# Allegro board pc051c_toplevel_209edited.brd (continued)
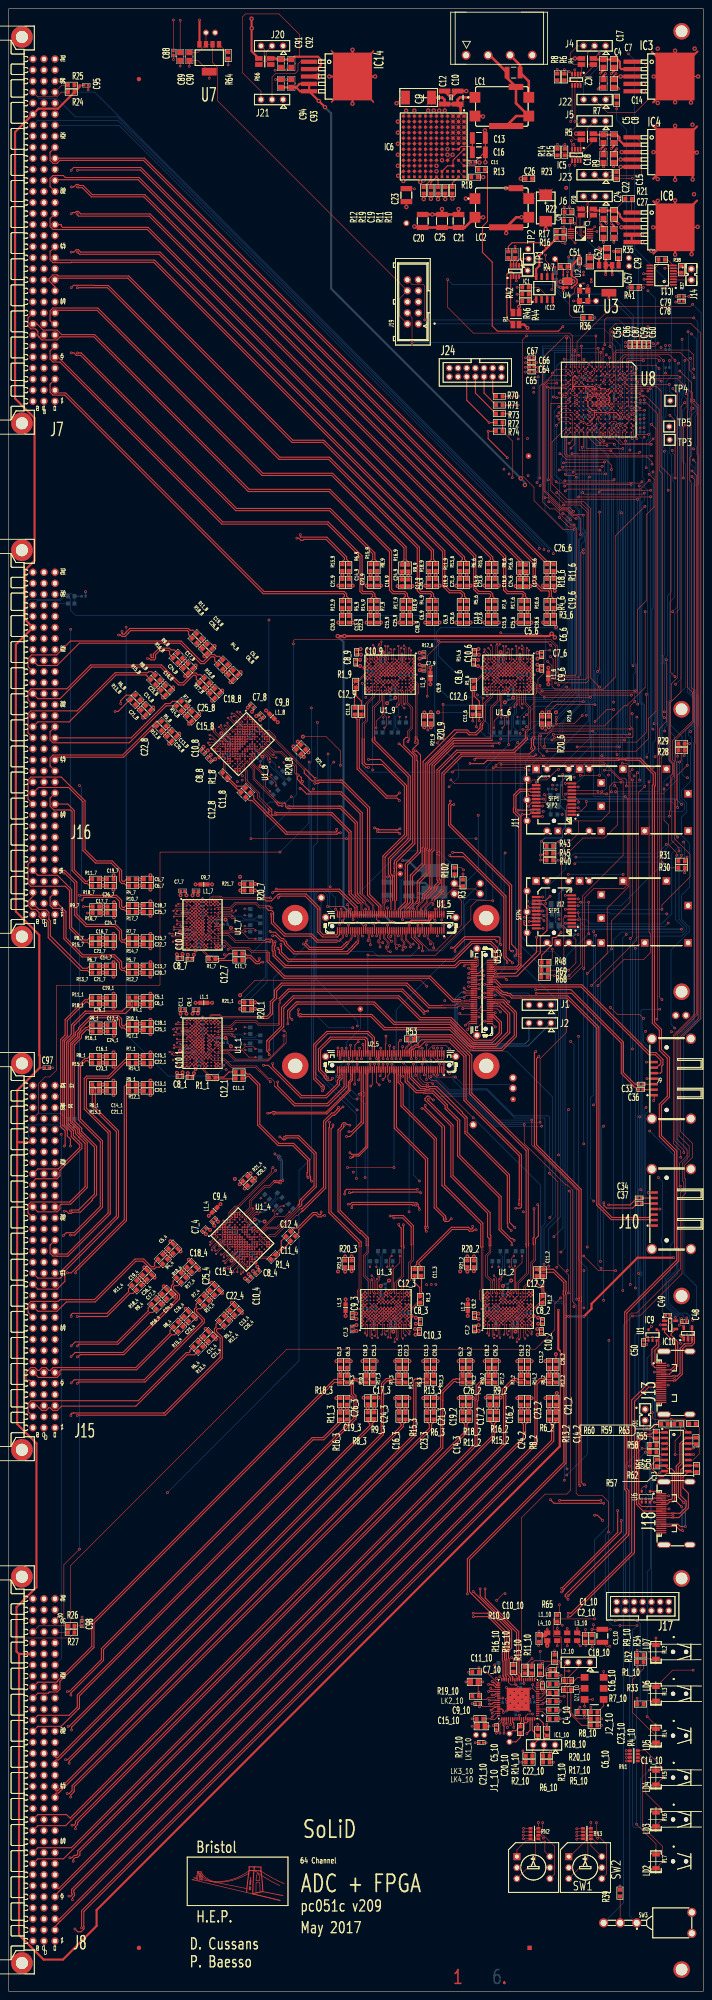
[diagram p0: board, top side]
## Routing (per net, layer and track width the routed paths; a pad name or vN(x,y) marks a point on that pad's centre or on a via; arc(x,y) is an arc through that point) (continued)
ADC_SDOA<2>: length 165.5
  TOP w0.13: U1_8.E6 v4(56.11,288.13) ; U8.T3 125.07,371.75 123.03,369.71 123.03,342.7 124.63,341.1 125.85,341.1 129.52,337.43 v1(130.23,337.43)
  TOP w0.25: v2(65.59,286.43) R20_8.1
  L3 w0.13: 61.35,287 60.5,287 60.36,286.86 58.37,286.86 57.1,288.13 v4(56.11,288.13)
  L3 w0.25: v2(65.59,286.43) 65.02,287 61.35,287
  L4 w0.13: v1(126.14,293.13) 121.05,293.13 119.4,291.47 68.63,291.47 65.59,288.43 v2(65.59,286.43)
  BOTTOM w0.13: v1(130.23,337.43) 130.91,336.74 130.91,297.89 v1(126.14,293.13)
ADC_SDOA<3>: length 216.3
  TOP w0.13: v1(136.7,350.9) 127.8,350.9 v1(127.6,350.7) ; v1(127.57,367.25) 128.5,367.25 128.8,367.55 128.8,368.15 U8.R6 ; U1_7.E6 v4(45.45,247.8) ; v1(123.41,286.5) 123.41,288.24 125.15,289.98 v1(134.54,289.98) ; v1(136.1,340.37) 136.1,304.15 v1(135.65,303.7)
  TOP w0.25: v2(53.35,253.3) R20_7.1
  L3 w0.13: 49.95,250.7 49.35,250.1 49.35,249.91 47.95,248.5 46.15,248.5 v4(45.45,247.8)
  L3 w0.25: v2(53.35,253.3) 52.55,253.3 49.95,250.7
  L4 w0.13: v2(53.35,253.3) 54.21,254.16 v1(74.06,254.16) ; v1(123.41,286.5) 118.88,286.5 115.23,282.85 106.66,282.85 106.46,283.05 106.04,283.05 105.84,282.85 v1(74.89,282.85) ; v1(136.1,340.37) 136.7,340.97 v1(136.7,350.9)
  BOTTOM w0.13: v1(74.89,282.85) 74.06,282.01 v1(74.06,254.16) ; v1(135.65,303.7) 135.25,303.3 135.25,297 134.54,296.29 v1(134.54,289.98) ; v1(127.6,350.7) 127.25,351.05 127.25,352.55 127.57,352.87 v1(127.57,367.25)
ADC_SDOA<4>: length 241.2
  TOP w0.13: U8.T10 128.26,364.61 v1(126.71,364.61) ; v1(65.59,310.05) 65.59,310.78 65.8,311 98.66,311 98.79,311.14 99.21,311.14 99.34,311 124.95,311 126.35,309.6 126.35,303.52 127.07,302.8 130.45,302.8 130.75,303.1 130.75,336.61 130.42,336.93 129.07,336.93 v1(126.85,339.15) ; U1_1.E6 v4(45.45,220.55)
  TOP w0.25: v2(53.35,226.05) R20_1.1
  L3 w0.13: v4(45.45,220.55) 46.15,221.25 47.95,221.25 49.35,222.66 49.35,222.85 49.95,223.45
  L3 w0.25: 49.95,223.45 52.55,226.05 v2(53.35,226.05)
  BOTTOM w0.13: v1(65.59,310.05) 65.59,287.35 66.24,286.7 66.24,275.28 65.59,274.64 65.59,272.57 59.5,266.48 59.5,232.2 v2(53.35,226.05) ; v1(126.71,364.61) 125.65,363.55 125.65,348.88 126.85,347.68 v1(126.85,339.15)
ADC_SDOA<5>: length 310.3
  TOP w0.13: U1_4.E6 v4(52.67,175.26) ; U8.T15 125.15,356.5 125.15,346.85 128.7,343.3 v1(144.84,343.3)
  TOP w0.25: v2(54.37,184.74) R20_4.1
  L3 w0.13: 53.8,180.5 53.8,179.65 53.94,179.51 53.94,177.52 52.67,176.25 v4(52.67,175.26)
  L3 w0.25: 53.8,180.5 53.8,184.17 v2(54.37,184.74)
  L4 w0.13: v1(145.6,184.42) 143.83,182.65 73.7,182.65 71.61,184.74 v2(54.37,184.74) ; v1(149.96,225.97) 149.96,284.66 152.3,287 152.3,293.95 150.07,296.18 v1(144.9,296.18)
  BOTTOM w0.13: v1(149.96,225.97) 145.92,225.97 145.64,225.69 145.64,201.61 145.83,201.42 145.83,201.01 145.64,200.82 145.64,184.47 v1(145.6,184.42) ; v1(144.9,296.18) 144.84,296.23 v1(144.84,343.3)
ADC_SDOA<6>: length 263
  TOP w0.13: U8.N16 131.4,354.61 131.53,354.48 v1(138.7,354.48) ; U1_3.E6 v4(84.5,157.8)
  TOP w0.25: v2(79,165.7) R20_3.1
  L3 w0.13: 81.6,162.3 82.19,161.71 82.39,161.71 83.8,160.3 83.8,158.5 v4(84.5,157.8)
  L3 w0.25: v2(79,165.7) 79,164.9 81.6,162.3
  L4 w0.13: v1(140.15,284.55) 140.15,280.1 136.83,276.78 135.33,276.78 134.75,276.2 v1(134.75,243.82) ; v1(134.75,181.83) 134.68,181.83 125.12,172.27 85.57,172.27 v2(79,165.7)
  BOTTOM w0.13: v1(134.75,243.82) 134.75,243.25 134.7,243.21 134.7,242.79 134.75,242.75 134.75,206.3 134,205.55 134,182.58 v1(134.75,181.83) ; v1(138.7,354.48) 140.14,353.04 140.14,286.88 139.91,286.65 139.91,284.79 v1(140.15,284.55)
ADC_SDOA<7>: length 257.2
  TOP w0.13: v1(133.86,359.25) 133.9,359.25 U8.K15 ; U1_2.E6 v4(112.65,157.8)
  TOP w0.25: v2(107.15,165.7) R20_2.1
  L3 w0.13: v4(112.65,157.8) 111.95,158.5 111.95,160.3 110.54,161.71 110.34,161.71 109.75,162.3
  L3 w0.25: 109.75,162.3 107.15,164.9 v2(107.15,165.7)
  L4 w0.13: v1(145.35,278.7) 144.6,277.95 144.6,240.25 v1(144.35,239.99) ; v1(133.03,293.6) 133.43,293.2 v1(144.7,293.2) ; v1(144.35,161.83) 114.22,161.83 112.65,160.25 v4(112.65,157.8)
  BOTTOM w0.13: v1(145.35,278.7) 145.35,282.89 144.7,283.54 v1(144.7,293.2) ; v1(144.35,239.99) v1(144.35,161.83) ; v1(133.86,359.25) 133.86,359.21 133.23,358.58 133.23,293.8 v1(133.03,293.6)
ADC_SDOB<0>: length 109.2
  TOP w0.13: v1(135.05,296.05) 126.1,296.05 v2(124.4,294.35) ; U1_6.D6 v4(118.2,302.15) ; U8.K2 v1(133.95,372.3)
  TOP w0.25: v2(124.4,294.35) R21_6.1
  L3 w0.13: v4(118.2,302.15) 118.6,301.75 118.6,299.52 119.62,298.5 120.25,298.5 120.6,298.15
  L3 w0.25: 120.6,298.15 v2(124.4,294.35)
  L4 w0.13: v1(133.95,372.3) 133.4,371.75 133.4,366.88 133.53,366.75 138.14,366.75 139.5,365.39 139.5,362.94 138.77,362.21 136.48,362.21 136.35,362.08 136.35,358.91 135.05,357.61 v1(135.05,296.05)
ADC_SDOB<1>: length 142.9
  TOP w0.13: U8.P1 v1(130.4,377.57) ; v1(131.7,335.2) 131.7,338.79 130.9,339.59 129.99,339.59 129.34,340.24 129.34,340.31 128.74,340.91 127.14,340.91 124.38,343.68 v1(123.53,343.68) ; U1_9.D6 v4(91.05,302.15)
  TOP w0.25: v2(97.25,294.35) R21_9.1
  L3 w0.13: v4(91.05,302.15) 91.45,301.75 91.45,299.52 92.47,298.5 93.09,298.5 93.45,298.15
  L3 w0.25: 93.45,298.15 v2(97.25,294.35)
  L4 w0.13: v1(131.7,335.2) 131.7,332.48 131.35,332.13 131.35,330.55 131.95,329.96 131.95,301.08 127.47,296.59 118.04,296.59 117.7,296.26 117.7,295.76 116.7,294.76 105.97,294.76 104.92,293.7 97.9,293.7 v2(97.25,294.35)
  BOTTOM w0.13: v1(123.53,343.68) 123.53,376.39 124.7,377.57 v1(130.4,377.57)
ADC_SDOB<2>: length 169.3
  TOP w0.13: v1(126.14,291.65) 130.2,291.65 v1(132.1,293.55) ; U8.T4 124.44,370.75 123.29,369.61 123.29,345.21 127.33,341.17 128.85,341.17 129.6,340.41 129.6,340.34 130.09,339.86 132.18,339.86 v1(132.37,339.67) ; U1_8.D6 v4(56.68,288.7)
  TOP w0.25: v2(66.58,287.57) R21_8.1
  L3 w0.13: 61.2,287.57 60.7,287.57 60.26,287.12 58.82,287.12 57.24,288.7 v4(56.68,288.7)
  L3 w0.25: 61.2,287.57 61.49,287.85 66.3,287.85 v2(66.58,287.57)
  L4 w0.13: v1(118.44,290.34) 117.58,290.34 116.8,289.57 67.58,289.57 66.58,288.57 v2(66.58,287.57)
  BOTTOM w0.13: v1(132.37,339.67) 132.37,336.6 132.92,336.04 132.92,335.78 132.97,335.73 132.97,334.67 132.92,334.62 132.92,333.62 132.86,333.56 132.86,294.46 132.1,293.7 v1(132.1,293.55) ; v1(118.44,290.34) 120.47,290.34 121.77,291.65 v1(126.14,291.65)
ADC_SDOB<3>: length 214.8
  TOP w0.13: U1_7.D6 v4(45.45,248.6) ; U8.R7 129.9,367.25 v1(130.9,367.25)
  TOP w0.25: v2(53.25,254.8) R21_7.1
  L3 w0.13: 49.45,251 49.09,250.65 49.09,250.02 48.08,249 45.85,249 v4(45.45,248.6)
  L3 w0.25: 49.45,251 v2(53.25,254.8)
  L4 w0.13: v1(130.9,367.25) 131.5,366.65 131.5,364.99 132.02,364.47 132.02,362.65 131.14,361.76 131.13,361.76 130.36,360.99 130.36,356.42 130.57,356.21 130.57,352.02 129.45,350.9 129.45,339.22 129.86,338.81 129.86,338.39 129.44,337.98 129.44,336.1 130.7,334.84 130.7,334.76 130.7,334.76 130.7,333.66 130.8,333.56 130.8,332.68 130.58,332.45 130.58,330.23 130.8,330.01 130.8,301.95 129.95,301.1 129.54,301.1 129.49,301.05 128.91,301.05 128.91,301.05 126.88,301.05 126.87,301.05 126.65,301.05 126.45,301.26 126.45,301.28 126.16,301.58 125.33,301.58 124.9,301.15 124.9,299.45 123.7,298.25 115.9,298.25 115.11,297.46 111.45,297.46 111.04,297.05 53.62,297.05 47.76,291.19 47.76,287.19 46.57,286 46.57,285.37 45.97,284.77 45.97,281.19 v1(46.2,280.96)
  BOTTOM w0.13: v1(46.2,280.96) 46.2,249.35 v4(45.45,248.6)
ADC_SDOB<4>: length 233.4
  TOP w0.13: v1(100.05,296.15) 100.05,288.6 v1(98.7,287.25) ; U8.R10 129.95,365.3 v1(130.86,365.3) ; U1_1.D6 v4(45.45,221.35) ; v1(134,297.75) v1(123.35,297.75)
  TOP w0.25: v2(53.25,227.55) R21_1.1
  L3 w0.13: v4(45.45,221.35) 45.85,221.75 48.08,221.75 49.09,222.77 49.09,223.4 49.45,223.75
  L3 w0.25: 49.45,223.75 v2(53.25,227.55)
  L4 w0.13: v1(65.1,274.85) 65.5,275.25 99.55,275.25 v1(101.45,277.15)
  BOTTOM w0.13: v1(98.7,287.25) 103.6,282.35 103.6,279.3 v1(101.45,277.15) ; v1(65.1,274.85) 63.9,273.65 60.05,273.65 59.1,272.7 59.1,233.4 v2(53.25,227.55) ; v1(100.05,296.15) 100.25,295.95 115.45,295.95 117.25,297.75 v1(123.35,297.75) ; v1(134,297.75) 134.35,298.1 134.35,358.99 134.35,359 134.35,359.5 134.35,359.51 134.35,360.99 134.4,361.04 134.4,361.46 134.35,361.51 134.35,363.75 134.2,363.9
  BOTTOM w0.15: v1(130.86,365.3) 132.26,363.9 134.2,363.9
ADC_SDOB<5>: length 315.1
  TOP w0.13: v1(157.4,348.57) 157.4,348.42 157.97,347.85 157.97,299.16 158.02,299.11 158.02,292 157.97,291.95 157.97,224.87 153.1,220 153.1,195.05 154.8,193.35 v1(154.8,191.9) ; v1(148.19,351.39) 148.19,351.93 147.08,353.04 128.61,353.04 128.05,353.6 128.05,358.4 U8.T16 ; U1_4.D6 v4(52.1,175.83)
  TOP w0.25: v2(53.23,185.73) R21_4.1
  L3 w0.13: v4(52.1,175.83) 52.1,176.39 53.68,177.97 53.68,179.41 53.23,179.85 53.23,180.35
  L3 w0.25: 53.23,180.35 52.95,180.64 52.95,185.45 v2(53.23,185.73)
  L4 w0.13: v2(53.23,185.73) 54.08,185.73 56.45,188.1 79.1,188.1 79.19,188 79.61,188 79.7,188.1 124,188.1 124.34,187.75 124.76,187.75 125.1,188.1 147.22,188.1 147.55,187.78 148.73,187.78 149.01,188.05 150.81,188.05 151.08,188.32 152,188.32 154.8,191.11 v1(154.8,191.9) ; v1(157.4,348.57) 157.38,348.57 153.84,352.11 148.91,352.11 v1(148.19,351.39)
ADC_SDOB<6>: length 253.9
  TOP w0.129: 83.86,238.4 82.78,238.4 v1(82.73,238.45)
  TOP w0.13: v1(111.52,250.95) 107.76,250.95 106.46,249.65 106.46,246.57 98.29,238.4 83.86,238.4 ; U8.M16 132.4,355.53 v1(132.11,355.24) ; U1_3.D6 v4(83.7,157.8) ; v1(119.07,281.54) v1(111.6,281.54)
  TOP w0.25: v2(77.5,165.6) R21_3.1
  L3 w0.13: 81.3,161.8 81.66,161.44 82.28,161.44 83.3,160.43 83.3,158.2 v4(83.7,157.8)
  L3 w0.25: 81.3,161.8 v2(77.5,165.6)
  BOTTOM w0.13: v1(82.73,238.45) 82.73,168.7 82.61,168.58 82.61,167.42 82.73,167.3 82.73,158.77 v4(83.7,157.8) ; v1(111.6,281.54) 111.52,281.46 v1(111.52,250.95) ; v1(132.11,355.24) 132.11,345.46 131.7,345.06 131.7,344.64 131.87,344.48 131.87,336.73 132.66,335.94 132.66,335.67 132.71,335.62 132.71,334.78 132.66,334.73 132.66,333.73 131.87,332.94 131.87,296.07 127.63,291.83 127.63,286.82 126.68,285.86 121.74,285.86 119.07,283.19 v1(119.07,281.54)
ADC_SDOB<7>: length 248.9
  TOP w0.13: v1(143.61,281.1) 143.12,280.61 143.12,250.58 138.87,246.33 v1(138.87,239.86) ; U8.J15 135.35,359.75 v1(134.85,359.25) ; U1_2.D6 v4(111.85,157.8)
  TOP w0.25: v2(105.65,165.6) R21_2.1
  L3 w0.13: 109.45,161.8 109.81,161.44 110.43,161.44 111.45,160.43 111.45,158.2 v4(111.85,157.8)
  L3 w0.25: 109.45,161.8 v2(105.65,165.6)
  L4 w0.13: v2(105.65,165.6) 108.01,167.96 v1(136.31,167.96) ; v1(134.85,359.25) 133.5,357.9 133.5,352.89 133.27,352.66 133.27,346.36 133.81,345.82 133.81,298.26 133.5,297.96 133.5,296.29 135.8,294 v1(143.61,294)
  BOTTOM w0.13: v1(143.61,281.1) 143.65,281.14 143.65,293.96 v1(143.61,294) ; v1(136.31,167.96) 136.31,237.29 v1(138.87,239.86)
AIN+<1>_1: length 16.1
  TOP w0.13: U1_1.B2 41.45,222.95 v4(39.05,222.95)
  TOP w0.25: R3_1.2 v2(30.2,228.65) C5_1.2
  L3 w0.25: v2(30.2,228.65) 33.35,228.65 v4(39.05,222.95)
AIN+<1>_2: length 16.1
  TOP w0.13: v4(110.25,151.4) 110.25,153.8 U1_2.B2
  TOP w0.25: C5_2.2 v2(104.55,142.55) R3_2.2
  L3 w0.25: v2(104.55,142.55) 104.55,145.7 v4(110.25,151.4)
AIN+<1>_3: length 16.1
  TOP w0.13: U1_3.B2 82.1,153.8 v4(82.1,151.4)
  TOP w0.25: C5_3.2 v2(76.4,142.55) R3_3.2
  L3 w0.25: v2(76.4,142.55) 76.4,145.7 v4(82.1,151.4)
AIN+<1>_4: length 16.1
  TOP w0.13: U1_4.B2 48.14,174.13 v4(46.45,172.43) ; R3_4.2 v2(36.16,170.21) C5_4.2
  L3 w0.25: v4(46.45,172.43) 38.39,172.43 v2(36.16,170.21)
AIN+<1>_6: length 16.1
  TOP w0.13: U1_6.B2 119.8,306.15 v4(119.8,308.55)
  TOP w0.25: R3_6.2 v2(125.5,317.4) C5_6.2
  L3 w0.25: v2(125.5,317.4) 125.5,314.38 125.44,314.32 125.44,314.19 v4(119.8,308.55)
AIN+<1>_7: length 16.1
  TOP w0.13: U1_7.B2 41.45,250.2 v4(39.05,250.2)
  TOP w0.25: C5_7.2 v2(30.2,255.9) R3_7.2
  L3 w0.25: v2(30.2,255.9) 33.35,255.9 v4(39.05,250.2)
AIN+<1>_8: length 16.1
  TOP w0.13: C5_8.2 v2(51.06,304.64) R3_8.2 ; U1_8.B2 54.98,292.66 v4(53.28,294.35)
  L3 w0.25: v4(53.28,294.35) 53.28,302.41 v2(51.06,304.64)
AIN+<1>_9: length 16.1
  TOP w0.13: U1_9.B2 92.65,306.15 v4(92.65,308.55)
  TOP w0.25: C5_9.2 v2(98.35,317.4) R3_9.2
  L3 w0.25: v2(98.35,317.4) 98.35,314.25 v4(92.65,308.55)
AIN+<2>_1: length 25.3
  TOP w0.13: v4(38.75,221.35) 38.85,221.45 40.55,221.45 40.65,221.35 41.45,221.35 U1_1.C2
  TOP w0.25: R11_1.2 v2(21.7,228.65) C19_1.2
  L3 w0.25: v4(38.75,221.35) 35.05,225.05 27.95,225.05 24.35,228.65 v2(21.7,228.65)
AIN+<2>_2: length 25.3
  TOP w0.13: v4(111.85,151.1) 111.75,151.2 111.75,152.9 111.85,153 111.85,153.8 U1_2.C2
  TOP w0.25: C19_2.2 v2(104.55,134.05) R11_2.2
  L3 w0.25: v4(111.85,151.1) 108.15,147.4 108.15,140.3 104.55,136.7 v2(104.55,134.05)
AIN+<2>_3: length 25.3
  TOP w0.13: U1_3.C2 83.7,153.8 83.7,153 83.6,152.9 83.6,151.2 v4(83.7,151.1)
  TOP w0.25: C19_3.2 v2(76.4,134.05) R11_3.2
  L3 w0.25: v2(76.4,134.05) 76.4,136.7 80,140.3 80,147.4 v4(83.7,151.1)
AIN+<2>_4: length 25.3
  TOP w0.13: R11_4.2 v2(30.15,164.2) C19_4.2 ; v4(47.37,171.09) 47.37,171.23 48.57,172.43 48.71,172.43 49.27,173 U1_4.C2
  L3 w0.25: v4(47.37,171.09) 42.13,171.09 37.11,166.07 32.02,166.07 v2(30.15,164.2)
AIN+<2>_6: length 25.3
  TOP w0.13: U1_6.C2 118.2,306.15 118.2,306.95 118.3,307.05 118.3,308.75 v4(118.2,308.85)
  TOP w0.25: R11_6.2 v2(125.5,325.9) C19_6.2
  L3 w0.25: v4(118.2,308.85) 121.9,312.55 121.9,319.65 125.5,323.25 v2(125.5,325.9)
AIN+<2>_7: length 25.3
  TOP w0.13: U1_7.C2 41.45,248.6 40.65,248.6 40.55,248.7 38.85,248.7 v4(38.75,248.6)
  TOP w0.25: C19_7.2 v2(21.7,255.9) R11_7.2
  L3 w0.25: v2(21.7,255.9) 24.35,255.9 27.95,252.3 35.05,252.3 v4(38.75,248.6)
AIN+<2>_8: length 25.3
  TOP w0.13: R11_8.2 v2(45.05,310.65) C19_8.2 ; U1_8.C2 53.85,291.53 53.28,292.09 53.28,292.23 52.08,293.43 v4(51.94,293.43)
  L3 w0.25: v4(51.94,293.43) 51.94,298.67 46.92,303.69 46.92,308.78 v2(45.05,310.65)
AIN+<2>_9: length 25.3
  TOP w0.13: v4(91.05,308.85) 91.15,308.75 91.15,307.05 91.05,306.95 91.05,306.15 U1_9.C2
  TOP w0.25: R11_9.2 v2(98.35,325.9) C19_9.2
  L3 w0.25: v4(91.05,308.85) 94.75,312.55 94.75,319.65 98.35,323.25 v2(98.35,325.9)
AIN+<3>_1: length 14.7
  TOP w0.13: v4(38.45,220.75) 38.75,220.45 40.79,220.45 40.89,220.54 41.45,220.54 U1_1.E2
  TOP w0.25: R10_1.2 v2(30.2,222.65) C18_1.2
  L3 w0.25: v4(38.45,220.75) 36.83,220.75 34.93,222.65 v2(30.2,222.65)
AIN+<3>_2: length 14.7
  TOP w0.13: U1_2.E2 112.66,153.81 112.66,153.24 112.75,153.14 112.75,151.1 v4(112.45,150.8)
  TOP w0.25: C18_2.2 v2(110.55,142.55) R10_2.2
  L3 w0.25: v4(112.45,150.8) 112.45,149.18 110.55,147.28 v2(110.55,142.55)
AIN+<3>_3: length 14.7
  TOP w0.13: U1_3.E2 84.5,153.81 84.5,153.24 84.6,153.14 84.6,151.1 v4(84.3,150.8)
  TOP w0.25: C18_3.2 v2(82.4,142.55) R10_3.2
  L3 w0.25: v4(84.3,150.8) 84.3,149.18 82.4,147.28 v2(82.4,142.55)
AIN+<3>_4: length 14.7
  TOP w0.13: C18_4.2 v2(40.4,165.96) R10_4.2 ; U1_4.E2 49.85,172.43 49.45,172.03 49.45,171.9 48,170.45 v4(47.58,170.45)
  L3 w0.25: v4(47.58,170.45) 46.43,169.31 43.75,169.31 v2(40.4,165.96)
AIN+<3>_6: length 14.7
  TOP w0.13: v4(117.6,309.15) 117.3,308.85 117.3,306.81 117.39,306.71 117.39,306.14 U1_6.E2
  TOP w0.25: C18_6.2 v2(119.5,317.4) R10_6.2
  L3 w0.25: v2(119.5,317.4) 119.5,312.67 117.6,310.77 v4(117.6,309.15)
AIN+<3>_7: length 14.7
  TOP w0.13: v4(38.45,248) 38.75,247.7 40.79,247.7 40.89,247.79 41.45,247.79 U1_7.E2
  TOP w0.25: C18_7.2 v2(30.2,249.9) R10_7.2
  L3 w0.25: v2(30.2,249.9) 34.93,249.9 36.83,248 v4(38.45,248)
AIN+<3>_8: length 14.7
  TOP w0.13: v4(51.3,293.22) 51.3,292.8 52.75,291.35 52.88,291.35 53.28,290.95 U1_8.E2 ; C18_8.2 v2(46.81,300.4) R10_8.2
  L3 w0.25: v4(51.3,293.22) 50.16,294.37 50.16,297.05 v2(46.81,300.4)
AIN+<3>_9: length 14.7
  TOP w0.13: U1_9.E2 90.25,306.14 90.25,306.71 90.15,306.81 90.15,308.85 v4(90.45,309.15)
  TOP w0.25: C18_9.2 v2(92.35,317.4) R10_9.2
  L3 w0.25: v2(92.35,317.4) 92.35,312.67 90.45,310.77 v4(90.45,309.15)
AIN+<4>_1: length 23.5
  TOP w0.13: U1_1.G2 41.45,218.95 38.95,218.95 v4(38.75,219.15)
  TOP w0.25: C17_1.2 v2(21.8,222.35) R9_1.2
  L3 w0.25: v4(38.75,219.15) 27.05,219.15 23.85,222.35 v2(21.8,222.35)
AIN+<4>_2: length 23.5
  TOP w0.13: U1_2.G2 114.25,153.8 114.25,151.3 v4(114.05,151.1)
  TOP w0.25: C17_2.2 v2(110.85,134.15) R9_2.2
  L3 w0.25: v2(110.85,134.15) 110.85,136.2 114.05,139.4 v4(114.05,151.1)
AIN+<4>_3: length 23.5
  TOP w0.13: v4(85.9,151.1) 86.1,151.3 86.1,153.8 U1_3.G2
  TOP w0.25: R9_3.2 v2(82.7,134.15) C17_3.2
  L3 w0.25: v4(85.9,151.1) 85.9,139.4 82.7,136.2 v2(82.7,134.15)
AIN+<4>_4: length 23.5
  TOP w0.13: v4(48.92,169.54) 49.2,169.54 50.97,171.3 U1_4.G2
  TOP w0.25: 34,159.14 v2(34.67,159.81) C17_4.2
  L3 w0.25: v4(48.92,169.54) 40.65,161.26 36.12,161.26 v2(34.67,159.81)
AIN+<4>_6: length 23.5
  TOP w0.13: U1_6.G2 115.8,306.15 115.8,308.65 v4(116,308.85)
  TOP w0.25: R9_6.2 v2(119.2,325.8) C17_6.2
  L3 w0.25: v2(119.2,325.8) 119.2,323.75 116,320.55 v4(116,308.85)
AIN+<4>_7: length 23.5
  TOP w0.13: U1_7.G2 41.45,246.2 38.95,246.2 v4(38.75,246.4)
  TOP w0.25: R9_7.2 v2(21.8,249.6) C17_7.2
  L3 w0.25: v4(38.75,246.4) 27.05,246.4 23.85,249.6 v2(21.8,249.6)
AIN+<4>_8: length 23.5
  TOP w0.13: v4(50.39,291.88) 50.39,291.6 52.15,289.83 U1_8.G2
  TOP w0.25: C17_8.2 v2(40.66,306.13) 39.99,306.8
  L3 w0.25: v2(40.66,306.13) 42.11,304.68 42.11,300.15 v4(50.39,291.88)
AIN+<4>_9: length 23.5
  TOP w0.13: U1_9.G2 88.65,306.15 88.65,308.65 v4(88.85,308.85)
  TOP w0.25: C17_9.2 v2(92.05,325.8) R9_9.2
  L3 w0.25: v2(92.05,325.8) 92.05,323.75 88.85,320.55 v4(88.85,308.85)
AIN+<5>_1: length 22.5
  TOP w0.13: U1_1.H1 40.51,217.75 40.24,217.48 38.33,217.48 v4(38.1,217.7)
  TOP w0.25: R8_1.2 v2(21.7,215.15) C16_1.2
  L3 w0.25: v4(38.1,217.7) 24.25,217.7 v2(21.7,215.15)
AIN+<5>_2: length 22.5
  TOP w0.13: v4(115.5,150.45) 115.72,150.68 115.72,152.59 115.45,152.86 U1_2.H1
  TOP w0.25: C16_2.2 v2(118.05,134.05) R8_2.2
  L3 w0.25: v2(118.05,134.05) 115.5,136.6 v4(115.5,150.45)
AIN+<5>_3: length 22.5
  TOP w0.13: U1_3.H1 87.3,152.86 87.57,152.59 87.57,150.68 v4(87.35,150.45)
  TOP w0.25: C16_3.2 v2(89.9,134.05) R8_3.2
  L3 w0.25: v4(87.35,150.45) 87.35,136.6 v2(89.9,134.05)
AIN+<5>_4: length 22.5
  TOP w0.13: C16_4.2 v2(39.69,154.65) R8_4.2 ; U1_4.H1 51.16,169.79 51.16,169.41 49.8,168.06 v4(49.49,168.06)
  L3 w0.25: v2(39.69,154.65) 39.69,158.26 v4(49.49,168.06)
AIN+<5>_6: length 22.5
  TOP w0.13: U1_6.H1 114.6,307.09 114.33,307.36 114.33,309.27 v4(114.55,309.5)
  TOP w0.25: C16_6.2 v2(112,325.9) R8_6.2
  L3 w0.25: v4(114.55,309.5) 114.55,323.35 v2(112,325.9)
AIN+<5>_7: length 22.5
  TOP w0.13: U1_7.H1 40.51,245 40.24,244.73 38.33,244.73 v4(38.1,244.95)
  TOP w0.25: R8_7.2 v2(21.7,242.4) C16_7.2
  L3 w0.25: v4(38.1,244.95) 24.25,244.95 v2(21.7,242.4)
AIN+<5>_8: length 22.5
  TOP w0.13: C16_8.2 v2(35.5,301.11) R8_8.2 ; v4(48.91,291.31) 48.91,291 50.26,289.64 50.64,289.64 U1_8.H1
  L3 w0.25: v2(35.5,301.11) 39.11,301.11 v4(48.91,291.31)
AIN+<5>_9: length 22.5
  TOP w0.13: U1_9.H1 87.45,307.09 87.18,307.36 87.18,309.27 v4(87.4,309.5)
  TOP w0.25: C16_9.2 v2(84.85,325.9) R8_9.2
  L3 w0.25: v2(84.85,325.9) 87.4,323.35 v4(87.4,309.5)
AIN+<6>_1: length 13.6
  TOP w0.13: U1_1.K1 40.35,216.15 39.95,215.75 38.25,215.75 37.85,216.15 v4(37.05,216.15)
  TOP w0.25: R7_1.2 v2(30.2,215.15) C15_1.2
  L3 w0.25: v4(37.05,216.15) 36.4,215.15 v2(30.2,215.15)
AIN+<6>_2: length 13.6
  TOP w0.13: v4(117.05,149.4) 117.05,150.2 117.45,150.6 117.45,152.3 117.05,152.7 U1_2.K1
  TOP w0.25: C15_2.2 v2(118.05,142.55) R7_2.2
  L3 w0.25: v2(118.05,142.55) 118.05,148.75 v4(117.05,149.4)
AIN+<6>_3: length 13.6
  TOP w0.13: U1_3.K1 88.9,152.7 89.3,152.3 89.3,150.6 88.9,150.2 v4(88.9,149.4)
  TOP w0.25: C15_3.2 v2(89.9,142.55) R7_3.2
  L3 w0.25: v4(88.9,149.4) 89.9,148.75 v2(89.9,142.55)
AIN+<6>_4: length 13.5
  TOP w0.13: R7_4.2 v2(45.7,160.66) C15_4.2 ; U1_4.K1 52.17,168.55 52.17,167.98 50.97,166.78 50.41,166.78 v4(49.84,166.21)
  L3 w0.25: v2(45.7,160.66) 49.84,164.8 v4(49.84,166.21)
AIN+<6>_6: length 13.6
  TOP w0.13: U1_6.K1 113,307.25 112.6,307.65 112.6,309.42 v4(113.13,309.95)
  TOP w0.25: C15_6.2 v2(112,317.4) R7_6.2
  L3 w0.25: v4(113.13,309.95) 113.13,310.24 112,311.37 v2(112,317.4)
AIN+<6>_7: length 13.6
  TOP w0.13: U1_7.K1 40.35,243.4 39.95,243 38.25,243 37.85,243.4 v4(37.05,243.4)
  TOP w0.25: C15_7.2 v2(30.2,242.4) R7_7.2
  L3 w0.25: v4(37.05,243.4) 36.4,242.4 v2(30.2,242.4)
AIN+<6>_8: length 13.5
  TOP w0.13: C15_8.2 v2(41.51,295.1) R7_8.2 ; U1_8.K1 49.4,288.63 48.83,288.63 47.63,289.83 47.63,290.39 v4(47.06,290.96)
  L3 w0.25: v4(47.06,290.96) 45.65,290.96 v2(41.51,295.1)
AIN+<6>_9: length 13.6
  TOP w0.13: U1_9.K1 85.85,307.25 85.45,307.65 85.45,309.35 85.85,309.75 v4(85.85,310.55)
  TOP w0.25: R7_9.2 v2(84.85,317.4) C15_9.2
  L3 w0.25: v2(84.85,317.4) 84.85,311.2 v4(85.85,310.55)
AIN+<7>_1: length 23.7
  TOP w0.13: U1_1.M1 38.15,214.55 v4(37.85,214.25)
  TOP w0.25: R6_1.2 v2(21.7,208.65) C14_1.2
  L3 w0.25: v4(37.85,214.25) 37.15,214.25 34.65,211.75 24.8,211.75 v2(21.7,208.65)
AIN+<7>_2: length 23.7
  TOP w0.13: v4(118.95,150.2) 118.65,150.5 U1_2.M1
  TOP w0.25: R6_2.2 v2(124.55,134.05) C14_2.2
  L3 w0.25: v4(118.95,150.2) 118.95,149.5 121.45,147 121.45,137.15 v2(124.55,134.05)
AIN+<7>_3: length 23.7
  TOP w0.13: U1_3.M1 90.5,150.5 v4(90.8,150.2)
  TOP w0.25: C14_3.2 v2(96.4,134.05) R6_3.2
  L3 w0.25: v2(96.4,134.05) 93.3,137.15 93.3,147 90.8,149.5 v4(90.8,150.2)
AIN+<7>_4: length 23.7
  TOP w0.13: U1_4.M1 51.75,165.86 v4(51.75,165.43) ; R6_4.2 v2(44.29,150.05) C14_4.2
  L3 w0.25: v2(44.29,150.05) 44.29,154.44 51.25,161.4 51.25,164.94 v4(51.75,165.43)
AIN+<7>_6: length 23.7
  TOP w0.13: v4(111.1,309.75) 111.4,309.45 U1_6.M1
  TOP w0.25: R6_6.2 v2(105.5,325.9) C14_6.2
  L3 w0.25: v4(111.1,309.75) 111.1,310.45 108.6,312.95 108.6,322.8 v2(105.5,325.9)
AIN+<7>_7: length 23.7
  TOP w0.13: U1_7.M1 38.15,241.8 v4(37.85,241.5)
  TOP w0.25: R6_7.2 v2(21.7,235.9) C14_7.2
  L3 w0.25: v2(21.7,235.9) 24.8,239 34.65,239 37.15,241.5 v4(37.85,241.5)
AIN+<7>_8: length 23.7
  TOP w0.13: R6_8.2 v2(30.9,296.51) C14_8.2 ; v4(46.28,289.05) 46.71,289.05 U1_8.M1
  L3 w0.25: v2(30.9,296.51) 35.29,296.51 42.25,289.55 45.79,289.55 v4(46.28,289.05)
AIN+<7>_9: length 23.7
  TOP w0.13: U1_9.M1 84.25,309.45 v4(83.95,309.75)
  TOP w0.25: R6_9.2 v2(78.35,325.9) C14_9.2
  L3 w0.25: v4(83.95,309.75) 83.95,310.45 81.45,312.95 81.45,322.8 v2(78.35,325.9)
AIN+<8>_1: length 14.9
  TOP w0.13: U1_1.N1 39.82,213.75 v4(38.83,212.76)
  TOP w0.25: R5_1.2 v2(30.2,208.65) C13_1.2
  L3 w0.25: v4(38.83,212.76) 38.16,212.76 34.05,208.65 v2(30.2,208.65)
AIN+<8>_2: length 14.9
  TOP w0.13: U1_2.N1 119.45,152.17 v4(120.44,151.18)
  TOP w0.25: C13_2.2 v2(124.55,142.55) R5_2.2
  L3 w0.25: v2(124.55,142.55) 124.55,146.4 120.44,150.51 v4(120.44,151.18)
AIN+<8>_3: length 14.9
  TOP w0.13: v4(92.29,151.18) 91.3,152.17 U1_3.N1
  TOP w0.25: R5_3.2 v2(96.4,142.55) C13_3.2
  L3 w0.25: v4(92.29,151.18) 92.29,150.51 96.4,146.4 v2(96.4,142.55)
AIN+<8>_4: length 14.9
  TOP w0.13: C13_4.2 v2(50.3,156.06) 49.63,155.39 ; U1_4.N1 53.5,166.48 v4(53.5,165.07)
  L3 w0.25: v2(50.3,156.06) 53.02,158.79 53.02,164.6 v4(53.5,165.07)
AIN+<8>_6: length 14.9
  TOP w0.13: U1_6.N1 110.6,307.78 v4(109.61,308.77)
  TOP w0.25: R5_6.2 v2(105.5,317.4) C13_6.2
  L3 w0.25: v2(105.5,317.4) 105.5,313.55 109.61,309.44 v4(109.61,308.77)
AIN+<8>_7: length 14.9
  TOP w0.13: U1_7.N1 39.82,241 v4(38.83,240.01)
  TOP w0.25: C13_7.2 v2(30.2,235.9) R5_7.2
  L3 w0.25: v2(30.2,235.9) 34.05,235.9 38.16,240.01 v4(38.83,240.01)
AIN+<8>_8: length 14.9
  TOP w0.13: C13_8.2 v2(36.91,290.5) R5_8.2 ; U1_8.N1 47.33,287.3 v4(45.92,287.3)
  L3 w0.25: v2(36.91,290.5) 39.64,287.78 45.45,287.78 v4(45.92,287.3)
AIN+<8>_9: length 14.9
  TOP w0.13: v4(82.46,308.77) 83.45,307.78 U1_9.N1
  TOP w0.25: R5_9.2 v2(78.35,317.4) C13_9.2
  L3 w0.25: v4(82.46,308.77) 82.46,309.44 78.35,313.55 v2(78.35,317.4)
AIN-<1>_1: length 14.7
  TOP w0.13: v4(38.55,222.55) 38.65,222.45 40.95,222.45 U1_1.B1
  TOP w0.25: R4_1.2 v2(30.2,227.15) C6_1.2
  L3 w0.25: v4(38.55,222.55) 33.95,227.15 v2(30.2,227.15)
AIN-<1>_2: length 14.7
  TOP w0.13: U1_2.B1 110.75,153.3 110.75,151 v4(110.65,150.9)
  TOP w0.25: C6_2.2 v2(106.05,142.55) R4_2.2
  L3 w0.25: v4(110.65,150.9) 106.05,146.3 v2(106.05,142.55)
AIN-<1>_3: length 14.7
  TOP w0.13: v4(82.5,150.9) 82.6,151 82.6,153.3 U1_3.B1
  TOP w0.25: R4_3.2 v2(77.9,142.55) C6_3.2
  L3 w0.25: v4(82.5,150.9) 77.9,146.3 v2(77.9,142.55)
AIN-<1>_4: length 14.7
  TOP w0.13: U1_4.B1 48.14,173.42 46.52,171.8 v4(46.38,171.8)
  TOP w0.25: C6_4.2 v2(37.22,169.15) R4_4.2
  L3 w0.25: v2(37.22,169.15) 39.87,171.8 v4(46.38,171.8)
AIN-<1>_6: length 14.7
  TOP w0.13: v4(119.4,309.05) 119.3,308.95 119.3,306.65 U1_6.B1
  TOP w0.25: R4_6.2 v2(124,317.4) C6_6.2
  L3 w0.25: v4(119.4,309.05) 124,313.65 v2(124,317.4)
AIN-<1>_7: length 14.7
  TOP w0.13: U1_7.B1 40.95,249.7 38.65,249.7 v4(38.55,249.8)
  TOP w0.25: R4_7.2 v2(30.2,254.4) C6_7.2
  L3 w0.25: v4(38.55,249.8) 33.95,254.4 v2(30.2,254.4)
AIN-<1>_8: length 14.7
  TOP w0.13: U1_8.B1 54.27,292.66 52.65,294.28 v4(52.65,294.42) ; v2(50,303.58) R4_8.2
  TOP w0.25: C6_8.2 v2(50,303.58)